# KiCad board armory.kicad_pcb (continued)
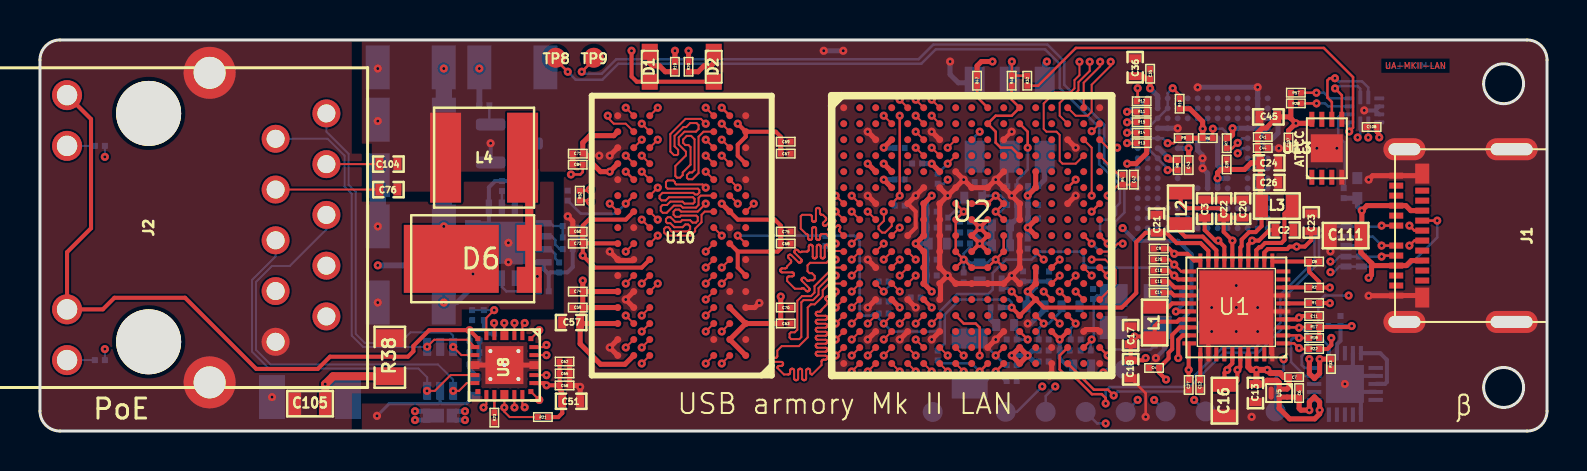
[diagram p0: board, top side]
## Routing (per net, layer and track width the routed paths; a pad name or vN(x,y) marks a point on that pad's centre or on a via; arc(x,y) is an arc through that point) (continued)
/eMMC/SD2_DATA1: length 20.6
  TOP w0.1: U2.B7 v1(44.59,15.78)
  TOP w0.127: v1(54.36,14.93) R14.2
  SIGNAL_1 w0.127: v1(44.59,15.78) 44.95,16.14 45.3,16.14 45.33,16.14 45.35,16.13 45.37,16.12 45.38,16.1 45.39,16.08 45.4,16.06 45.41,16.02 45.41,16 45.42,15.98 45.44,15.96 45.46,15.95 45.48,15.94 45.5,15.94 45.56,15.94 45.58,15.94 45.6,15.95 45.62,15.96 45.64,15.98 45.65,16 45.65,16.02 45.66,16.04 45.66,16.14 45.66,16.24 45.66,16.26 45.67,16.28 45.68,16.3 45.69,16.32 45.71,16.33 45.73,16.34 45.76,16.34 45.81,16.34 45.83,16.34 45.86,16.33 45.87,16.32 45.89,16.3 45.9,16.28 45.91,16.26 45.91,16.24 45.91,16.04 45.91,16.02 45.92,16 45.93,15.98 45.95,15.96 45.97,15.95 45.99,15.94 46.01,15.94 46.07,15.94 46.09,15.94 46.11,15.95 46.13,15.96 46.14,15.98 46.16,16 46.16,16.02 46.17,16.04 46.17,16.24 46.17,16.26 46.18,16.28 46.19,16.3 46.2,16.32 46.22,16.33 46.24,16.34 46.26,16.34 46.32,16.34 46.34,16.34 46.36,16.33 46.38,16.32 46.4,16.3 46.41,16.28 46.42,16.26 46.42,16.24 46.42,16.04 46.42,16.02 46.43,16 46.44,15.98 46.46,15.96 46.48,15.95 46.5,15.94 46.52,15.94 46.57,15.94 46.6,15.94 46.62,15.95 46.64,15.96 46.65,15.98 46.66,16 46.67,16.02 46.67,16.04 46.67,16.24 46.68,16.26 46.68,16.28 46.7,16.3 46.71,16.32 46.73,16.33 46.75,16.34 46.77,16.34 46.83,16.34 46.85,16.34 46.87,16.33 46.89,16.32 46.91,16.3 46.92,16.28 46.92,16.26 46.93,16.24 46.93,16.04 46.93,16.02 46.94,16 46.95,15.98 46.96,15.96 46.98,15.95 47,15.94 47.03,15.94 47.08,15.94 47.1,15.94 47.13,15.95 47.14,15.96 47.16,15.98 47.17,16 47.18,16.02 47.18,16.04 47.18,16.24 47.18,16.26 47.19,16.28 47.2,16.3 47.22,16.32 47.24,16.33 47.26,16.34 47.28,16.34 47.34,16.34 47.36,16.34 47.38,16.33 47.4,16.32 47.41,16.3 47.43,16.28 47.43,16.26 47.44,16.24 47.44,16.04 47.44,16.02 47.45,16 47.46,15.98 47.47,15.96 47.49,15.95 47.51,15.94 47.53,15.94 47.59,15.94 47.61,15.94 47.63,15.95 47.65,15.96 47.67,15.98 47.68,16 47.69,16.02 47.69,16.04 47.69,16.24 47.69,16.26 47.7,16.28 47.71,16.3 47.73,16.32 47.75,16.33 47.77,16.34 47.79,16.34 47.84,16.34 47.87,16.34 47.89,16.33 47.91,16.32 47.92,16.3 47.93,16.28 47.94,16.26 47.94,16.24 47.94,16.04 47.95,16.02 47.95,16 47.97,15.98 47.98,15.96 48,15.95 48.02,15.94 48.04,15.94 48.1,15.94 48.12,15.94 48.14,15.95 48.16,15.96 48.18,15.98 48.19,16 48.19,16.02 48.2,16.04 48.2,16.24 48.2,16.26 48.21,16.28 48.22,16.3 48.23,16.32 48.25,16.33 48.27,16.34 48.3,16.34 48.35,16.34 48.37,16.34 48.4,16.33 48.41,16.32 48.43,16.3 48.44,16.28 48.45,16.26 48.45,16.24 48.45,16.04 48.45,16.02 48.46,16 48.47,15.98 48.49,15.96 48.51,15.95 48.53,15.94 48.55,15.94 48.61,15.94 48.63,15.94 48.65,15.95 48.67,15.96 48.68,15.98 48.7,16 48.7,16.02 48.71,16.04 48.71,16.24 48.71,16.26 48.72,16.28 48.73,16.3 48.74,16.32 48.76,16.33 48.78,16.34 48.8,16.34 48.86,16.34 48.88,16.34 48.9,16.33 48.92,16.32 48.94,16.3 48.95,16.28 48.96,16.26 48.96,16.24 48.96,16.04 48.96,16.02 48.97,16 48.98,15.98 49,15.96 49.02,15.95 49.04,15.94 49.06,15.94 49.11,15.94 49.14,15.94 49.16,15.95 49.18,15.96 49.19,15.98 49.2,16 49.21,16.02 49.21,16.04 49.21,16.24 49.22,16.26 49.22,16.28 49.24,16.3 49.25,16.32 49.27,16.33 49.29,16.34 49.31,16.34 49.37,16.34 49.39,16.34 49.41,16.33 49.43,16.32 49.45,16.3 49.46,16.28 49.46,16.26 49.47,16.24 49.47,16.04 49.47,16.02 49.48,16 49.49,15.98 49.5,15.96 49.52,15.95 49.54,15.94 49.57,15.94 49.62,15.94 49.64,15.94 49.67,15.95 49.68,15.96 49.7,15.98 49.71,16 49.72,16.02 49.72,16.04 49.72,16.24 49.72,16.26 49.73,16.28 49.74,16.3 49.76,16.32 49.78,16.33 49.8,16.34 49.82,16.34 49.88,16.34 49.9,16.34 49.92,16.33 49.94,16.32 49.95,16.3 49.97,16.28 49.97,16.26 49.98,16.24 49.98,16.04 49.98,16.02 49.99,16 50,15.98 50.01,15.96 50.03,15.95 50.05,15.94 50.07,15.94 50.13,15.94 50.15,15.94 50.17,15.95 50.19,15.96 50.21,15.98 50.22,16 50.23,16.02 50.23,16.04 50.23,16.24 50.23,16.26 50.24,16.28 50.25,16.3 50.27,16.32 50.29,16.33 50.31,16.34 50.33,16.34 50.38,16.34 50.41,16.34 50.43,16.33 50.45,16.32 50.46,16.3 50.47,16.28 50.48,16.26 50.48,16.24 50.48,16.04 50.49,16.02 50.49,16 50.51,15.98 50.52,15.96 50.54,15.95 50.56,15.94 50.58,15.94 50.64,15.94 50.66,15.94 50.68,15.95 50.7,15.96 50.72,15.98 50.73,16 50.73,16.02 50.74,16.04 50.74,16.24 50.74,16.26 50.75,16.28 50.76,16.3 50.77,16.32 50.79,16.33 50.81,16.34 50.84,16.34 50.89,16.34 50.91,16.34 50.94,16.33 50.95,16.32 50.97,16.3 50.98,16.28 50.99,16.26 50.99,16.24 50.99,16.04 50.99,16.02 51,16 51.01,15.98 51.03,15.96 51.05,15.95 51.07,15.94 51.09,15.94 51.15,15.94 51.17,15.94 51.19,15.95 51.21,15.96 51.22,15.98 51.24,16 51.24,16.02 51.25,16.06 51.26,16.08 51.27,16.1 51.28,16.12 51.3,16.13 51.32,16.14 51.34,16.14 53.62,16.14 53.84,16.36 54.51,16.36 54.74,16.12 54.74,15.31 v1(54.36,14.93)
  BOTTOM w0.127: v1(54.36,14.93) 54.58,15.15 U3.A4
/eMMC/SD2_DATA2: length 20.6
  TOP w0.1: U2.A7 v1(44.59,16.58)
  TOP w0.127: R13.2 54.37,14.41 v1(54.36,14.41)
  SIGNAL_1 w0.127: v1(44.59,16.58) 44.6,16.58 45.02,16.58 45.05,16.59 45.08,16.59 45.1,16.61 45.12,16.63 45.14,16.65 45.15,16.68 45.15,16.71 45.15,16.75 45.15,16.78 45.16,16.8 45.18,16.83 45.2,16.85 45.22,16.86 45.25,16.87 45.28,16.87 45.31,16.87 45.33,16.86 45.36,16.85 45.38,16.83 45.39,16.8 45.4,16.78 45.4,16.75 45.4,16.71 45.41,16.68 45.42,16.65 45.43,16.63 45.45,16.61 45.48,16.59 45.5,16.59 45.53,16.58 45.56,16.59 45.59,16.59 45.61,16.61 45.63,16.63 45.65,16.65 45.66,16.68 45.66,16.71 45.66,16.75 45.66,16.78 45.67,16.8 45.69,16.83 45.71,16.85 45.73,16.86 45.76,16.87 45.79,16.87 45.81,16.87 45.84,16.86 45.86,16.85 45.88,16.83 45.9,16.8 45.91,16.78 45.91,16.75 45.91,16.71 45.92,16.68 45.93,16.65 45.94,16.63 45.96,16.61 45.98,16.59 46.01,16.59 46.04,16.58 46.07,16.59 46.09,16.59 46.12,16.61 46.14,16.63 46.15,16.65 46.16,16.68 46.17,16.71 46.17,16.75 46.17,16.78 46.18,16.8 46.19,16.83 46.21,16.85 46.24,16.86 46.27,16.87 46.29,16.87 46.32,16.87 46.35,16.86 46.37,16.85 46.39,16.83 46.41,16.8 46.42,16.78 46.42,16.75 46.42,16.71 46.42,16.68 46.43,16.65 46.45,16.63 46.47,16.61 46.49,16.59 46.52,16.59 46.55,16.58 46.58,16.59 46.6,16.59 46.63,16.61 46.65,16.63 46.66,16.65 46.67,16.68 46.67,16.71 46.67,16.75 46.68,16.78 46.69,16.8 46.7,16.83 46.72,16.85 46.75,16.86 46.77,16.87 46.8,16.87 46.83,16.87 46.86,16.86 46.88,16.85 46.9,16.83 46.92,16.8 46.93,16.78 46.93,16.75 46.93,16.71 46.93,16.68 46.94,16.65 46.96,16.63 46.98,16.61 47,16.59 47.03,16.59 47.06,16.58 47.08,16.59 47.11,16.59 47.13,16.61 47.15,16.63 47.17,16.65 47.18,16.68 47.18,16.71 47.18,16.75 47.19,16.78 47.2,16.8 47.21,16.83 47.23,16.85 47.25,16.86 47.28,16.87 47.31,16.87 47.34,16.87 47.36,16.86 47.39,16.85 47.41,16.83 47.42,16.8 47.43,16.78 47.44,16.75 47.44,16.71 47.44,16.68 47.45,16.65 47.46,16.63 47.48,16.61 47.51,16.59 47.54,16.59 47.56,16.58 47.59,16.59 47.62,16.59 47.64,16.61 47.66,16.63 47.68,16.65 47.69,16.68 47.69,16.71 47.69,16.75 47.69,16.78 47.7,16.8 47.72,16.83 47.74,16.85 47.76,16.86 47.79,16.87 47.82,16.87 47.85,16.87 47.87,16.86 47.9,16.85 47.92,16.83 47.93,16.8 47.94,16.78 47.94,16.75 47.94,16.71 47.95,16.68 47.96,16.65 47.97,16.63 47.99,16.61 48.02,16.59 48.04,16.59 48.07,16.58 48.1,16.59 48.13,16.59 48.15,16.61 48.17,16.63 48.19,16.65 48.2,16.68 48.2,16.71 48.2,16.75 48.2,16.78 48.21,16.8 48.23,16.83 48.25,16.85 48.27,16.86 48.3,16.87 48.33,16.87 48.35,16.87 48.38,16.86 48.4,16.85 48.42,16.83 48.44,16.8 48.45,16.78 48.45,16.75 48.45,16.71 48.46,16.68 48.47,16.65 48.48,16.63 48.5,16.61 48.52,16.59 48.55,16.59 48.58,16.58 48.61,16.59 48.63,16.59 48.66,16.61 48.68,16.63 48.69,16.65 48.7,16.68 48.71,16.71 48.71,16.75 48.71,16.78 48.72,16.8 48.73,16.83 48.75,16.85 48.78,16.86 48.81,16.87 48.83,16.87 48.86,16.87 48.89,16.86 48.91,16.85 48.93,16.83 48.95,16.8 48.96,16.78 48.96,16.75 48.96,16.71 48.96,16.68 48.97,16.65 48.99,16.63 49.01,16.61 49.03,16.59 49.06,16.59 49.09,16.58 49.12,16.59 49.14,16.59 49.17,16.61 49.19,16.63 49.2,16.65 49.21,16.68 49.21,16.71 49.21,16.75 49.22,16.78 49.23,16.8 49.24,16.83 49.26,16.85 49.29,16.86 49.31,16.87 49.34,16.87 49.37,16.87 49.4,16.86 49.42,16.85 49.44,16.83 49.46,16.8 49.47,16.78 49.47,16.75 49.47,16.71 49.47,16.68 49.48,16.65 49.5,16.63 49.52,16.61 49.54,16.59 49.57,16.59 49.6,16.58 49.62,16.59 49.65,16.59 49.67,16.61 49.69,16.63 49.71,16.65 49.72,16.68 49.72,16.71 49.72,16.75 49.73,16.78 49.74,16.8 49.75,16.83 49.77,16.85 49.79,16.86 49.82,16.87 49.85,16.87 49.88,16.87 49.9,16.86 49.93,16.85 49.95,16.83 49.96,16.8 49.97,16.78 49.98,16.75 49.98,16.71 49.98,16.68 49.99,16.65 50,16.63 50.02,16.61 50.05,16.59 50.08,16.59 50.1,16.58 50.13,16.59 50.16,16.59 50.18,16.61 50.2,16.63 50.22,16.65 50.23,16.68 50.23,16.71 50.23,16.75 50.23,16.78 50.24,16.8 50.26,16.83 50.28,16.85 50.3,16.86 50.33,16.87 50.36,16.87 50.39,16.87 50.41,16.86 50.44,16.85 50.46,16.83 50.47,16.8 50.48,16.78 50.48,16.75 50.48,16.71 50.49,16.68 50.5,16.65 50.51,16.63 50.53,16.61 50.56,16.59 50.58,16.59 50.61,16.58 50.64,16.59 50.67,16.59 50.69,16.61 50.71,16.63 50.73,16.65 50.74,16.68 50.74,16.71 50.74,16.75 50.74,16.78 50.75,16.8 50.77,16.83 50.79,16.85 50.81,16.86 50.84,16.87 50.87,16.87 50.89,16.87 50.92,16.86 50.94,16.85 50.96,16.83 50.98,16.8 50.99,16.78 50.99,16.75 50.99,16.71 51,16.68 51.01,16.65 51.02,16.63 51.04,16.61 51.06,16.59 51.09,16.59 51.12,16.58 51.15,16.59 51.17,16.59 51.2,16.61 51.22,16.63 51.23,16.65 51.24,16.68 51.25,16.71 51.25,16.75 51.25,16.78 51.26,16.8 51.27,16.83 51.29,16.85 51.32,16.86 51.35,16.87 51.37,16.87 51.4,16.87 51.43,16.86 51.45,16.85 51.47,16.83 51.49,16.8 51.5,16.78 51.5,16.75 51.5,16.71 51.5,16.68 51.51,16.65 51.53,16.63 51.55,16.61 51.57,16.59 51.6,16.59 51.63,16.58 51.66,16.59 51.68,16.59 51.71,16.61 51.73,16.63 51.74,16.65 51.75,16.68 51.75,16.71 51.75,16.75 51.76,16.78 51.77,16.8 51.78,16.83 51.8,16.85 51.83,16.86 51.85,16.87 51.88,16.87 51.91,16.87 51.94,16.86 51.96,16.85 51.98,16.83 52,16.8 52.01,16.78 52.01,16.75 52.01,16.71 52.01,16.68 52.02,16.65 52.04,16.63 52.06,16.61 52.08,16.59 52.11,16.59 52.14,16.58 52.16,16.59 52.19,16.59 52.21,16.61 52.23,16.63 52.25,16.65 52.26,16.68 52.26,16.71 52.26,16.75 52.27,16.78 52.28,16.8 52.29,16.83 52.31,16.85 52.33,16.86 52.36,16.87 52.39,16.87 52.42,16.87 52.44,16.86 52.47,16.85 52.49,16.83 52.5,16.8 52.51,16.78 52.52,16.75 52.52,16.71 52.52,16.68 52.53,16.65 52.54,16.63 52.56,16.61 52.59,16.59 52.62,16.59 52.64,16.58 52.67,16.59 52.7,16.59 52.72,16.61 52.74,16.63 52.76,16.65 52.77,16.68 52.77,16.71 52.77,16.75 52.77,16.78 52.78,16.8 52.8,16.83 52.82,16.85 52.84,16.86 52.87,16.87 52.9,16.87 52.93,16.87 52.95,16.86 52.98,16.85 53,16.83 53.01,16.8 53.02,16.78 53.02,16.75 53.02,16.71 53.03,16.68 53.04,16.65 53.05,16.63 53.07,16.61 53.1,16.59 53.12,16.59 53.15,16.58 53.18,16.59 53.21,16.59 53.23,16.61 53.25,16.63 53.27,16.65 53.28,16.68 53.28,16.71 53.28,16.75 53.28,16.78 53.29,16.8 53.31,16.83 53.33,16.85 53.35,16.86 53.38,16.87 53.41,16.87 53.43,16.87 53.46,16.86 53.48,16.85 53.5,16.83 53.52,16.8 53.53,16.78 53.53,16.75 53.53,16.71 53.54,16.68 53.55,16.65 53.56,16.63 53.58,16.61 53.6,16.59 53.63,16.59 53.66,16.58 54.64,16.58 55.07,16.15 55.07,15.12 v1(54.36,14.41)
  BOTTOM w0.127: v1(54.36,14.41) 54.6,14.65 U3.A5
/eMMC/SD2_DATA3: length 20.6
  TOP w0.1: v1(43.79,14.18) U2.D6
  TOP w0.127: v1(54.89,17.16) 54.89,16.55 R12.2
  SIGNAL_1 w0.127: v1(54.89,17.16) 55.97,16.08 55.97,15.47 56.78,14.66 56.78,14.16 56.65,14.03 54.42,14.03 54.14,13.75 46.41,13.75 46.11,14.05 46.11,14.36 45.92,14.55 45.16,14.55 44.99,14.38 44.99,13.94 44.83,13.78 U2.D6 v1(43.79,14.18)
  BOTTOM w0.127: U3.B2 U3.A1 v1(54.89,17.15)
/eMMC/SD2_DATA4: length 20.6
  TOP w0.1: v1(43.79,14.98) U2.C6
  TOP w0.127: R11.2 54.37,15.98 v1(54.36,15.97)
  SIGNAL_1 w0.127: v1(43.79,14.98) 44.19,15.38 45.05,15.38 45.18,15.51 45.49,15.51 45.52,15.51 45.54,15.5 45.56,15.49 45.57,15.47 45.58,15.45 45.59,15.43 45.6,15.39 45.6,15.37 45.62,15.35 45.63,15.33 45.65,15.32 45.67,15.31 45.69,15.31 45.75,15.31 45.77,15.31 45.79,15.32 45.81,15.33 45.83,15.35 45.84,15.37 45.84,15.39 45.85,15.41 45.85,15.61 45.85,15.63 45.86,15.65 45.87,15.67 45.89,15.69 45.9,15.7 45.93,15.71 45.95,15.71 46,15.71 46.02,15.71 46.04,15.7 46.06,15.69 46.08,15.67 46.09,15.65 46.1,15.63 46.1,15.61 46.1,15.41 46.1,15.39 46.11,15.37 46.12,15.35 46.14,15.33 46.16,15.32 46.18,15.31 46.2,15.31 46.26,15.31 46.28,15.31 46.3,15.32 46.32,15.33 46.33,15.35 46.35,15.37 46.35,15.39 46.36,15.41 46.36,15.61 46.36,15.63 46.37,15.65 46.38,15.67 46.39,15.69 46.41,15.7 46.43,15.71 46.46,15.71 46.51,15.71 46.53,15.71 46.55,15.7 46.57,15.69 46.59,15.67 46.6,15.65 46.61,15.63 46.61,15.61 46.61,15.41 46.61,15.39 46.62,15.37 46.63,15.35 46.65,15.33 46.67,15.32 46.69,15.31 46.71,15.31 46.76,15.31 46.79,15.31 46.81,15.32 46.83,15.33 46.84,15.35 46.85,15.37 46.86,15.39 46.86,15.41 46.86,15.61 46.87,15.63 46.87,15.65 46.89,15.67 46.9,15.69 46.92,15.7 46.94,15.71 46.96,15.71 47.02,15.71 47.04,15.71 47.06,15.7 47.08,15.69 47.1,15.67 47.11,15.65 47.11,15.63 47.12,15.61 47.12,15.41 47.12,15.39 47.13,15.37 47.14,15.35 47.16,15.33 47.17,15.32 47.2,15.31 47.22,15.31 47.27,15.31 47.29,15.31 47.31,15.32 47.33,15.33 47.35,15.35 47.36,15.37 47.37,15.39 47.37,15.41 47.37,15.61 47.37,15.63 47.38,15.65 47.39,15.67 47.41,15.69 47.43,15.7 47.45,15.71 47.47,15.71 47.53,15.71 47.55,15.71 47.57,15.7 47.59,15.69 47.6,15.67 47.62,15.65 47.62,15.63 47.63,15.61 47.63,15.41 47.63,15.39 47.64,15.37 47.65,15.35 47.66,15.33 47.68,15.32 47.7,15.31 47.73,15.31 47.78,15.31 47.8,15.31 47.82,15.32 47.84,15.33 47.86,15.35 47.87,15.37 47.88,15.39 47.88,15.41 47.88,15.61 47.88,15.63 47.89,15.65 47.9,15.67 47.92,15.69 47.94,15.7 47.96,15.71 47.98,15.71 48.03,15.71 48.06,15.71 48.08,15.7 48.1,15.69 48.11,15.67 48.12,15.65 48.13,15.63 48.13,15.61 48.13,15.41 48.14,15.39 48.14,15.37 48.16,15.35 48.17,15.33 48.19,15.32 48.21,15.31 48.23,15.31 48.29,15.31 48.31,15.31 48.33,15.32 48.35,15.33 48.37,15.35 48.38,15.37 48.38,15.39 48.39,15.41 48.39,15.61 48.39,15.63 48.4,15.65 48.41,15.67 48.43,15.69 48.44,15.7 48.47,15.71 48.49,15.71 48.54,15.71 48.56,15.71 48.58,15.7 48.6,15.69 48.62,15.67 48.63,15.65 48.64,15.63 48.64,15.61 48.64,15.44 48.64,15.42 48.65,15.4 48.66,15.39 48.67,15.38 48.68,15.37 48.7,15.36 48.72,15.36 48.82,15.36 48.84,15.36 48.85,15.37 48.87,15.38 48.88,15.39 48.89,15.4 48.89,15.42 48.9,15.44 48.9,15.61 48.9,15.63 48.91,15.65 48.92,15.67 48.93,15.69 48.95,15.7 48.97,15.71 49,15.71 49.05,15.71 49.07,15.71 49.09,15.7 49.11,15.69 49.13,15.67 49.14,15.65 49.15,15.63 49.15,15.61 49.15,15.44 49.15,15.42 49.16,15.4 49.17,15.39 49.18,15.38 49.19,15.37 49.21,15.36 49.22,15.36 49.33,15.36 49.35,15.36 49.36,15.37 49.38,15.38 49.39,15.39 49.4,15.4 49.4,15.42 49.4,15.44 49.4,15.61 49.41,15.63 49.41,15.65 49.43,15.67 49.44,15.69 49.46,15.7 49.48,15.71 49.5,15.71 49.56,15.71 49.58,15.71 49.6,15.7 49.62,15.69 49.64,15.67 49.65,15.65 49.65,15.63 49.66,15.61 49.66,15.41 49.66,15.39 49.67,15.37 49.68,15.35 49.7,15.33 49.71,15.32 49.74,15.31 49.76,15.31 49.81,15.31 49.83,15.31 49.85,15.32 49.87,15.33 49.89,15.35 49.9,15.37 49.91,15.39 49.91,15.41 49.91,15.61 49.91,15.63 49.92,15.65 49.93,15.67 49.95,15.69 49.97,15.7 49.99,15.71 50.01,15.71 50.07,15.71 50.09,15.71 50.11,15.7 50.13,15.69 50.14,15.67 50.16,15.65 50.16,15.63 50.17,15.61 50.17,15.41 50.17,15.39 50.18,15.37 50.19,15.35 50.2,15.33 50.22,15.32 50.24,15.31 50.27,15.31 50.32,15.31 50.34,15.31 50.36,15.32 50.38,15.33 50.4,15.35 50.41,15.37 50.42,15.39 50.42,15.41 50.42,15.61 50.42,15.63 50.43,15.65 50.44,15.67 50.46,15.69 50.48,15.7 50.5,15.71 50.52,15.71 50.57,15.71 50.6,15.71 50.62,15.7 50.64,15.69 50.65,15.67 50.66,15.65 50.67,15.63 50.67,15.61 50.67,15.41 50.68,15.39 50.68,15.37 50.7,15.35 50.71,15.33 50.73,15.32 50.75,15.31 50.77,15.31 50.83,15.31 50.85,15.31 50.87,15.32 50.89,15.33 50.91,15.35 50.92,15.37 50.92,15.39 50.93,15.41 50.93,15.61 50.93,15.63 50.94,15.65 50.95,15.67 50.97,15.69 50.98,15.7 51.01,15.71 51.03,15.71 51.08,15.71 51.1,15.71 51.12,15.7 51.14,15.69 51.16,15.67 51.17,15.65 51.18,15.63 51.18,15.61 51.18,15.41 51.18,15.39 51.19,15.37 51.2,15.35 51.22,15.33 51.24,15.32 51.26,15.31 51.28,15.31 51.34,15.31 51.36,15.31 51.38,15.32 51.4,15.33 51.41,15.35 51.43,15.37 51.43,15.39 51.44,15.41 51.44,15.61 51.44,15.63 51.45,15.65 51.46,15.67 51.47,15.69 51.49,15.7 51.51,15.71 51.54,15.71 52.34,15.71 52.54,15.51 53.42,15.51 53.89,15.97 v1(54.36,15.97)
  BOTTOM w0.127: v1(54.36,15.97) 54.54,16.15 U3.A2 U3.B3
/eMMC/SD2_DATA5: length 20.8
  TOP w0.1: U2.B6 v1(43.79,15.78)
  TOP w0.127: R10.2 56.99,16.8 v1(56.64,17.16)
  SIGNAL_1 w0.127: v1(56.64,17.16) 55.85,17.95 43.23,17.95 42.6,17.32 42.6,16.37 42.79,16.18 43.39,16.18 v1(43.79,15.78)
  BOTTOM w0.127: v1(56.64,17.16) 56.39,16.91 U3.D1 U3.D2 U3.C3 U3.B4
/eMMC/SD2_DATA6: length 20.7
  TOP w0.1: v1(43.79,16.58) U2.A6
  TOP w0.127: R9.2 56.69,14.41 v1(56.39,14.41)
  SIGNAL_1 w0.127: v1(56.39,14.41) 56.39,14.73 55.75,15.38 55.75,15.81 54.73,16.82 54.2,16.82 53.72,17.3 53.25,17.3 53.22,17.3 53.2,17.29 53.18,17.28 53.17,17.27 53.16,17.25 53.15,17.23 53.14,17.18 53.14,17.16 53.12,17.14 53.11,17.13 53.09,17.11 53.07,17.11 53.05,17.1 52.99,17.1 52.97,17.11 52.95,17.11 52.93,17.13 52.91,17.14 52.9,17.16 52.89,17.18 52.89,17.23 52.88,17.25 52.87,17.27 52.85,17.28 52.84,17.29 52.81,17.3 52.79,17.3 52.74,17.3 52.72,17.3 52.69,17.29 52.68,17.28 52.66,17.27 52.65,17.25 52.64,17.23 52.64,17.18 52.63,17.16 52.62,17.14 52.6,17.13 52.58,17.11 52.56,17.11 52.54,17.1 52.48,17.1 52.46,17.11 52.44,17.11 52.42,17.13 52.41,17.14 52.39,17.16 52.39,17.18 52.38,17.23 52.37,17.25 52.36,17.27 52.35,17.28 52.33,17.29 52.31,17.3 52.28,17.3 52.23,17.3 52.21,17.3 52.19,17.29 52.17,17.28 52.15,17.27 52.14,17.25 52.13,17.23 52.13,17.18 52.12,17.16 52.11,17.14 52.09,17.13 52.07,17.11 52.05,17.11 52.03,17.1 51.98,17.1 51.95,17.11 51.93,17.11 51.91,17.13 51.9,17.14 51.89,17.16 51.88,17.18 51.87,17.23 51.87,17.25 51.85,17.27 51.84,17.28 51.82,17.29 51.8,17.3 51.78,17.3 51.72,17.3 51.7,17.3 51.68,17.29 51.66,17.28 51.64,17.27 51.63,17.25 51.62,17.23 51.62,17.18 51.61,17.16 51.6,17.14 51.58,17.13 51.57,17.11 51.54,17.11 51.52,17.1 51.47,17.1 51.45,17.11 51.42,17.11 51.41,17.13 51.39,17.14 51.38,17.16 51.37,17.18 51.37,17.23 51.36,17.25 51.35,17.27 51.33,17.28 51.31,17.29 51.29,17.3 51.27,17.3 51.21,17.3 51.19,17.3 51.17,17.29 51.15,17.28 51.14,17.27 51.12,17.25 51.12,17.23 51.11,17.18 51.1,17.16 51.09,17.14 51.08,17.13 51.06,17.11 51.04,17.11 51.01,17.1 50.96,17.1 50.94,17.11 50.92,17.11 50.9,17.13 50.88,17.14 50.87,17.16 50.86,17.18 50.86,17.23 50.85,17.25 50.84,17.27 50.82,17.28 50.8,17.29 50.78,17.3 50.76,17.3 50.71,17.3 50.68,17.3 50.66,17.29 50.64,17.28 50.63,17.27 50.62,17.25 50.61,17.23 50.6,17.18 50.6,17.16 50.58,17.14 50.57,17.13 50.55,17.11 50.53,17.11 50.51,17.1 50.45,17.1 50.43,17.11 50.41,17.11 50.39,17.13 50.37,17.14 50.36,17.16 50.35,17.18 50.35,17.23 50.34,17.25 50.33,17.27 50.31,17.28 50.3,17.29 50.27,17.3 50.25,17.3 50.2,17.3 50.18,17.3 50.15,17.29 50.14,17.28 50.12,17.27 50.11,17.25 50.1,17.23 50.1,17.18 50.09,17.16 50.08,17.14 50.06,17.13 50.04,17.11 50.02,17.11 50,17.1 49.94,17.1 49.92,17.11 49.9,17.11 49.88,17.13 49.87,17.14 49.85,17.16 49.85,17.18 49.84,17.23 49.83,17.25 49.82,17.27 49.81,17.28 49.79,17.29 49.77,17.3 49.74,17.3 49.69,17.3 49.67,17.3 49.65,17.29 49.63,17.28 49.61,17.27 49.6,17.25 49.59,17.23 49.59,17.18 49.58,17.16 49.57,17.14 49.55,17.13 49.53,17.11 49.51,17.11 49.49,17.1 49.44,17.1 49.41,17.11 49.39,17.11 49.37,17.13 49.36,17.14 49.35,17.16 49.34,17.18 49.33,17.23 49.33,17.25 49.31,17.27 49.3,17.28 49.28,17.29 49.26,17.3 49.24,17.3 49.18,17.3 49.16,17.3 49.14,17.29 49.12,17.28 49.1,17.27 49.09,17.25 49.08,17.23 49.08,17.18 49.07,17.16 49.06,17.14 49.04,17.13 49.03,17.11 49,17.11 48.98,17.1 48.93,17.1 48.91,17.11 48.88,17.11 48.87,17.13 48.85,17.14 48.84,17.16 48.83,17.18 48.83,17.23 48.82,17.25 48.81,17.27 48.79,17.28 48.77,17.29 48.75,17.3 48.73,17.3 48.67,17.3 48.65,17.3 48.63,17.29 48.61,17.28 48.6,17.27 48.58,17.25 48.58,17.23 48.57,17.18 48.56,17.16 48.55,17.14 48.54,17.13 48.52,17.11 48.5,17.11 48.47,17.1 48.42,17.1 48.4,17.11 48.38,17.11 48.36,17.13 48.34,17.14 48.33,17.16 48.32,17.18 48.32,17.23 48.31,17.25 48.3,17.27 48.28,17.28 48.26,17.29 48.24,17.3 48.22,17.3 48.17,17.3 48.14,17.3 48.12,17.29 48.1,17.28 48.09,17.27 48.08,17.25 48.07,17.23 48.06,17.18 48.06,17.16 48.04,17.14 48.03,17.13 48.01,17.11 47.99,17.11 47.97,17.1 47.91,17.1 47.89,17.11 47.87,17.11 47.85,17.13 47.83,17.14 47.82,17.16 47.81,17.18 47.81,17.23 47.8,17.25 47.79,17.27 47.77,17.28 47.76,17.29 47.73,17.3 47.71,17.3 47.66,17.3 47.64,17.3 47.61,17.29 47.6,17.28 47.58,17.27 47.57,17.25 47.56,17.23 47.56,17.18 47.55,17.16 47.54,17.14 47.52,17.13 47.5,17.11 47.48,17.11 47.46,17.1 47.4,17.1 47.38,17.11 47.36,17.11 47.34,17.13 47.33,17.14 47.31,17.16 47.31,17.18 47.3,17.23 47.29,17.25 47.28,17.27 47.27,17.28 47.25,17.29 47.23,17.3 47.2,17.3 47.15,17.3 47.13,17.3 47.11,17.29 47.09,17.28 47.07,17.27 47.06,17.25 47.05,17.23 47.05,17.18 47.04,17.16 47.03,17.14 47.01,17.13 46.99,17.11 46.97,17.11 46.95,17.1 46.9,17.1 46.87,17.11 46.85,17.11 46.83,17.13 46.82,17.14 46.81,17.16 46.8,17.18 46.79,17.23 46.79,17.25 46.77,17.27 46.76,17.28 46.74,17.29 46.72,17.3 46.7,17.3 46.64,17.3 46.62,17.3 46.6,17.29 46.58,17.28 46.56,17.27 46.55,17.25 46.54,17.23 46.54,17.18 46.53,17.16 46.52,17.14 46.5,17.13 46.49,17.11 46.46,17.11 46.44,17.1 46.39,17.1 46.37,17.11 46.34,17.11 46.33,17.13 46.31,17.14 46.3,17.16 46.29,17.18 46.29,17.23 46.28,17.25 46.27,17.27 46.25,17.28 46.23,17.29 46.21,17.3 46.19,17.3 46.13,17.3 46.11,17.3 46.09,17.29 46.07,17.28 46.06,17.27 46.04,17.25 46.04,17.23 46.03,17.18 46.02,17.16 46.01,17.14 46,17.13 45.98,17.11 45.96,17.11 45.93,17.1 45.88,17.1 45.86,17.11 45.84,17.11 45.82,17.13 45.8,17.14 45.79,17.16 45.78,17.18 45.78,17.23 45.77,17.25 45.76,17.27 45.74,17.28 45.72,17.29 45.7,17.3 45.68,17.3 45.63,17.3 45.6,17.3 45.58,17.29 45.56,17.28 45.55,17.27 45.54,17.25 45.53,17.23 45.52,17.18 45.52,17.16 45.5,17.14 45.49,17.13 45.47,17.11 45.45,17.11 45.43,17.1 45.37,17.1 45.35,17.11 45.33,17.11 45.31,17.13 45.29,17.14 45.28,17.16 45.27,17.18 45.27,17.23 45.26,17.25 45.25,17.27 45.23,17.28 45.22,17.29 45.19,17.3 45.17,17.3 45.12,17.3 45.1,17.3 45.07,17.29 45.06,17.28 45.04,17.27 45.03,17.25 45.02,17.23 45.02,17.18 45.01,17.16 45,17.14 44.98,17.13 44.96,17.11 44.94,17.11 44.92,17.1 44.86,17.1 44.84,17.11 44.82,17.11 44.8,17.13 44.79,17.14 44.77,17.16 44.77,17.18 44.76,17.23 44.75,17.25 44.74,17.27 44.73,17.28 44.71,17.29 44.69,17.3 44.66,17.3 44.61,17.3 44.59,17.3 44.57,17.29 44.55,17.28 44.53,17.27 44.52,17.25 44.51,17.23 44.51,17.18 44.5,17.16 44.49,17.14 44.47,17.13 44.45,17.11 44.43,17.11 44.41,17.1 44.32,17.1 v1(43.79,16.58)
  BOTTOM w0.127: v1(56.39,14.41) 56.15,14.65 U3.C5 U3.B5
/eMMC/SD2_DATA7: length 21.1
  TOP w0.1: v1(42.99,16.58) U2.A5
  TOP w0.127: v1(56.39,13.05) R8.2
  SIGNAL_1 w0.127: v1(42.99,16.58) 43.94,17.53 55.68,17.53 55.98,17.23 55.98,16.9 57.26,15.62 57.26,14.99 57.01,14.74 57.01,13.67 v1(56.39,13.05)
  BOTTOM w0.127: v1(56.39,13.05) 56.39,13.13 55.89,13.63 U3.C7 U3.B6
/eMMC/SD2_RESET_B: length 22.7
  TOP w0.1: U2.B4 v1(42.19,15.78)
  TOP w0.127: 58.65,15.12 R6.2
  SIGNAL_1 w0.127: v1(58.65,15.13) 58.65,15.78 55.53,18.91 43.78,18.91 42.19,17.32 v1(42.19,15.78)
  BOTTOM w0.127: v1(58.65,15.13) 59.13,15.13 59.39,14.87 U3.K5
/Ethernet/ENET2_RX_DATA0: length 40.8
  TOP w0.1: v1(53.87,14.18) 53.39,14.18 U2.C17 ; U8.18 24.97,1.56 v1(24.97,1.56)
  SIGNAL_2 w0.1: v1(53.87,14.18) 52.57,14.18 50.94,12.55 50.94,10.33 48.99,8.38 48.99,2.28 48.09,1.38 29.31,1.38 29.14,1.56 v1(24.97,1.56)
/Ethernet/ENET2_RX_DATA1: length 40
  TOP w0.1: v1(24.24,1.19) 24.12,1.3 U8.17 ; U2.C16 52.59,14.18 v1(52.59,11.78)
  SIGNAL_2 w0.1: v1(52.59,11.78) 52.59,11.66 49.79,8.86 49.79,3.55 49.19,2.95 49.19,2.18 48.19,1.18 24.25,1.18 v1(24.24,1.19)
/Ethernet/ENET2_RX_EN: length 39.9
  TOP w0.1: U2.B17 52.62,15 v1(52.59,15) ; v1(25.33,2.8) 25.33,2.8 U8.20
  SIGNAL_2 w0.1: v1(25.33,2.8) 28.19,2.8 29.4,1.58 47.49,1.58 48.19,2.28 48.19,7.95 50.64,10.41 50.64,13.95 51.69,15 v1(52.59,15)
/Ethernet/ENET2_RX_ER: length 52.9
  TOP w0.1: U8.22 25.33,3.8 v1(25.33,3.8) ; v1(51.98,18.48) 51.98,17.81 51.73,17.56 51.73,17.15 51.52,16.94 50.74,16.94 50.19,16.39 50.19,15.12 50.33,14.98 50.83,14.98 50.99,14.82 50.99,13.52 51.13,13.38 51.79,13.38 U2.D16
  SIGNAL_2 w0.1: v1(25.33,3.8) 27.48,3.8 29.49,1.78 46.48,1.78 47.39,2.69 47.39,4.93 47.85,5.39 47.85,8.09 48.96,9.2 48.96,12.96 53.9,17.9 53.9,18.67 53.73,18.84 52.34,18.84 v1(51.98,18.48)
/Ethernet/ENET2_TX_CLK: length 45.4
  TOP w0.1: v1(53.39,11.78) 53.94,12.33 R4.1 C42.1 ; v1(22.18,1.18) 22.32,1.32 U8.13